# KiCad board main-pcb.kicad_pcb (continued)
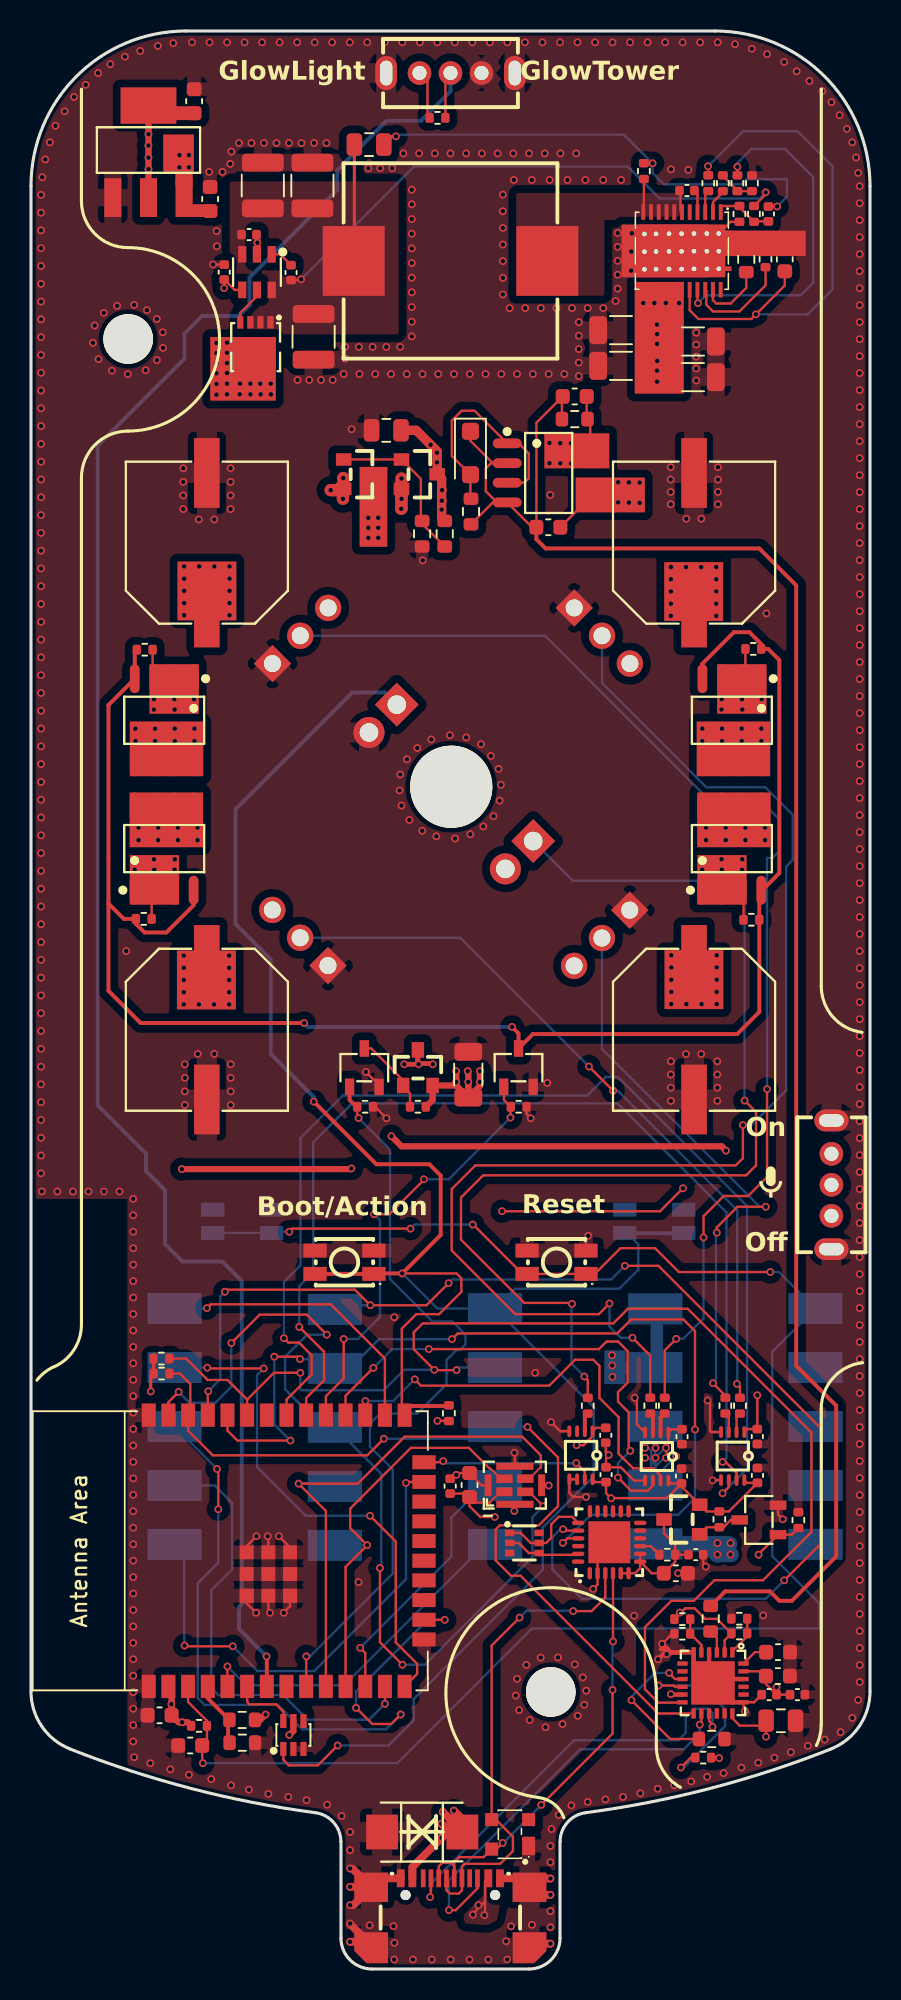
[diagram p0: board, top side]
## Routing (per net, layer and track width the routed paths; a pad name or vN(x,y) marks a point on that pad's centre or on a via; arc(x,y) is an arc through that point) (continued)
vbus: length 39.7
  Top w0.15: 29.3,5.64 29.3,3.51 v1(29.26,3.46) ; 29.3,5.64 29.3,4.36 ; 29.3,5.64 U6.11 ; v1(28.52,3.5) 28.6,3.58 28.6,3.65 29.3,4.36 ; U27.8 36.09,99.67 35.91,99.85 R14.1 35.86,100.02 C14.1 ; v1(47.43,14.98) 47.44,14.99 C16.1 47.12,15.69 45.74,15.69 45.26,16.17 U26.18 ; R7.1 49.09,28.01 U12.1 46.95,26.75 v1(46.95,26.72) ; v1(28.88,4.11) 29.06,4.11 29.3,4.36
  Top w0.5: U7.1 26.87,8.83 v1(26.49,8.46) 24.61,6.57 U6.2 ; U7.1 27.84,9.66 v1(27.29,10.21) ; U7.1 27.84,8.86 v1(26.57,10.13) ; U7.1 27.02,8.83 v1(26.48,9.37)
  Top w0.6: C13.1 24.86,99.24 v1(25.79,98.31) 26.21,97.89 26.21,97.81 v1(26.2,97.8) 26.21,97.79 26.21,97.18 v1(26.2,97.17) 26.21,97.16 U28.3 26.5,96.12 26.5,95.4 v1(26.52,95.38) 26.5,95.36 26.5,94.71 v1(26.51,94.7) 26.5,94.69 v1(26.5,94.13) 26.5,93.6 R17.1
  In4.Cu w0.4: v1(46.95,26.72) 46.95,24.95 44.91,22.92 44.91,21.15
  vias: v1(33.46,98.43) v1(33.46,97.12) v1(34.15,98.41) v1(34.15,97.11) v1(34.85,98.4) v1(34.85,97.1)
vbus_fet_en: length 1.5
  Top w0.15: U26.3 44.26,21.37 R15.1
vcc: length 72.9
  Top w0.15: v1(43.04,107.44) 43,107.48 U30.19 ; R28.1 v1(45.58,116.24) ; U27.5 35.76,94.59 C15.1
  Top w0.28: U26.11 41.31,17.7
  Top w0.4: v1(15.14,16.41) 14.79,16.06 R21.1 ; 41.31,17.7 v1(41.29,17.72)
  In4.Cu w0.4: v1(15.14,16.41) 19.64,16.41 21.4,14.65 38.22,14.65 v1(41.29,17.72) 43.78,20.21 43.78,24.81 45.14,26.17 v1(45.14,26.73)
  Bottom w0.15: v1(45.58,116.24) 45.58,116.49 46.49,117.39 48.66,117.39 50.48,115.57 50.48,108.76 49.67,107.95 43.55,107.95 v1(43.04,107.44) ; 41.83,107.44 v1(41.82,107.45)
  Bottom w0.4: 45.08,27.41 v1(45.14,27.47)
  Bottom w1: 43.74,27.42 43.74,27.27 ; 43.74,27.42 44.32,27.42 ; 43.74,27.42 U41.1 ; 43.74,27.27 44.3,26.71 ; 43.74,27.27 44.28,26.73 45.17,26.73 ; 44.33,27.41 45.08,27.41
  vias: v1(37.89,95.89) v1(37.89,94.59) v1(38.58,95.88) v1(38.58,94.58) v1(39.28,95.87) v1(39.28,94.56) v1(39.51,107.45) v1(40.23,107.45) v1(40.39,106.06) v1(40.4,105.45) v1(40.4,104.82) v1(40.41,103.72) v1(40.4,103.09) v1(40.4,102.38) v1(40.97,107.45) v1(44.3,27.47) v1(44.3,26.73)
vcc-1: length 61.6
  Top w0.15: C40.1 11.35,64.42 ; C40.1 11.35,62.95 ; C40.1 11.35,64.35 ; U38.2 7.79,69.41 R40.2 ; C10.1 41.34,34.81 U22.1 41.13,33.89 41.01,33.77 41.01,33.13 ; C39.1 42.79,88.38 ; C39.1 42.93,87.49 ; C39.1 42.79,88.3 ; C41.1 42.79,64.23 ; C41.1 42.79,64.51 ; C41.1 42.79,63.07 ; U23.1 46.22,34.82 C8.1 v1(46.87,37) ; U39.3 45.98,69.46 R41.2 ; R39.2 46.1,83.47 U37.2 ; C12.1 36.46,34.9 U24.1 36.24,34.37 35.65,33.78 v1(35.21,33.78) ; U36.3 7.85,83.34 R38.2 ; 9.88,113.8 U33.3 9.88,113.09 ; U31.4 13.14,108.3 C34.1 12.47,108.43 v1(12.46,108.41)
  Top w0.25: C38.1 10.78,87.49 ; C38.1 11.35,88.92 ; C38.1 11.82,87.49 ; C38.1 11.35,88.77 ; C38.1 11.35,88.75 ; C38.1 11.35,87.81 ; C38.1 11.35,87.85 ; 15.45,102.24 15.47,102.22 ; 14.8,102.24 14.8,102.23 ; 14.16,101.58 14.16,101.57 ; 13.51,103 U32.5 13.47,102.97 ; 13.51,102.28 13.49,102.26 ; 14.8,101.61 14.82,101.59 ; 12.72,104.26 12.71,104.24 ; 15.45,101.63 15.48,101.6 ; 14.16,102.26 v1(14.16,102.25)
  Top w0.4: C37.1 27.44,56.98 ; C37.1 28.97,56.96 ; C37.1 28.22,57.89 28.18,57.93 ; C37.1 v1(28.22,57.21) ; 27.44,56.98 v1(27.44,57.21) ; 27.44,56.98 27.44,57.9 v1(27.43,57.91) ; 27.44,56.98 U34.2 25.92,56.05 R36.2 ; 28.97,56.96 28.97,57.17 ; 28.97,56.96 28.97,57.92
  Bottom w0.15: 40.33,33.11 40.28,33.07 U43.1 ; U43.1 40.28,32.98 41.03,33.72 ; U43.1 40.02,31.47 40.02,33.42 39.67,33.77 ; U43.1 40.28,33.7 40.31,33.72 ; U43.1 40.28,31.73 41.69,33.13 ; U43.1 40.28,32.52 39.67,33.13 ; U43.1 40.28,32.4 41.02,33.13
  vias: v1(6.69,71.57) v1(6.69,70.9) v1(7.93,81.23) v1(7.94,81.9) v1(7.94,71.57) v1(7.96,70.9) v1(9.25,81.9) v1(9.27,81.23) v1(9.28,71.57) v1(9.27,70.9) v1(9.58,116.99) v1(9.58,116.2) v1(9.88,90.46) v1(9.88,89.68) v1(9.88,88.89) v1(9.88,88.1) v1(9.88,87.31) v1(9.86,65.36) v1(9.86,64.58) v1(9.86,63.79) v1(9.86,63) v1(9.86,62.21) v1(10.19,116.99) v1(10.19,116.2) v1(10.52,81.9) v1(10.52,81.23) v1(10.86,90.46) v1(10.83,62.21) v1(11.81,62.21) v1(11.83,90.46) v1(11.97,104.88) v1(11.97,104.22) v1(11.97,103.56) v1(11.97,102.92) v1(11.97,102.23) v1(11.97,101.54) v1(12.65,104.9) v1(12.65,104.24) v1(12.65,103.58) v1(12.65,102.94) v1(12.65,102.25) v1(12.65,101.56) v1(12.81,90.46) v1(12.81,89.68) v1(12.81,88.89) v1(12.81,88.1) v1(12.81,87.31) v1(12.79,65.36) v1(12.79,64.58) v1(12.79,63.79) v1(12.79,63) v1(12.79,62.21) v1(13.49,102.25) v1(13.47,101.56) v1(14.16,101.56) v1(14.8,102.25) v1(14.82,101.56) v1(15.47,102.25) v1(15.48,101.56) v1(21.77,93.6) v1(21.77,92.95) v1(21.77,92.31) v1(22.41,93.6) v1(22.41,92.96) v1(22.41,92.31) v1(28.18,57.91) v1(28.97,57.91) v1(28.97,57.21) v1(39.63,33.61) v1(39.63,32.97) v1(40.3,33.61) v1(40.3,32.97) v1(40.97,33.61) v1(40.97,32.97) v1(41.29,90.42) v1(41.29,89.64) v1(41.29,88.85) v1(41.29,88.06) v1(41.29,87.27) v1(41.32,65.38) v1(41.32,64.6) v1(41.32,63.81) v1(41.32,63.02) v1(41.32,62.23) v1(41.64,33.06) v1(42.27,90.42) v1(42.29,62.23) v1(43.24,90.42) v1(43.31,71.57) v1(43.31,70.9) v1(43.27,62.23) v1(44.22,90.42) v1(44.22,89.64) v1(44.22,88.85) v1(44.22,88.06) v1(44.22,87.27) v1(44.25,65.38) v1(44.25,64.6) v1(44.25,63.81) v1(44.25,63.02) v1(44.25,62.23) v1(44.57,81.9) v1(44.56,81.23) v1(44.56,71.57) v1(44.58,70.9) v1(45.88,81.9) v1(45.9,81.23) v1(45.9,71.57) v1(45.89,70.9) v1(47.15,81.9) v1(47.15,81.23)
vcc-2: length 279
  Top w0.15: U23.8 46.21,31.35 C7.1 45.04,29.51 R6.2 43.58,29.51 U11.2 41.96,31.13 41.96,31.29 C9.1 ; C9.1 41.04,30.37 37.45,30.37 v1(37.44,30.36) 37.11,30.69 C11.1 36.42,31.4 U24.8 ; C9.1 41.32,31.31 U22.8 ; v1(26.23,35.35) 26.95,35.35 R2.2 ; R8.2 25.58,119.53 25.58,121.77 U15.3
  Top w0.2: v1(7.73,37.25) 7.73,38.22 R4.2 7.91,39.37
  Top w0.4: R1.2 10.1,15.91 v1(9.76,15.91) 9.52,15.91 C1.1 9.07,17.07 v1(9.06,17.08) 9.07,17.1 9.07,18.02 U1.2 ; v1(23.26,53.71) 23.91,53.06 44.57,53.06 v1(44.85,52.78) ; 7.58,115.44 U33.2 U33.4 8.02,119.75 ; v1(9.73,51.59) 20.64,51.59 v1(20.68,51.63) ; U25.5 16.93,15.36 v1(16.67,15.09) ; 10.47,119.75 C36.1 ; 7.91,39.37 R3.2
  In2.Cu w0.4: U15.3 25.07,120.66 24.38,119.96 9.2,119.96 v1(7.58,118.34) 7.58,118.34 ; 7.58,117.61 v1(7.58,117.61) ; U14.3 45.05,52.58 v1(44.85,52.78) ; 8.21,36.77 v1(7.73,37.25) ; v1(9.76,15.91) 9.76,15.93 ; v1(26.23,35.35) 25.9,35.35 25.1,34.55 25.1,26.4 26.43,25.07 ; 7.58,116.83 v1(7.58,116.83) ; v1(23.26,53.71) 21.18,51.63 v1(20.68,51.63) ; 37.45,29.08 37.45,30.6 ; 7.58,116.09 v1(7.58,116.09)
  In2.Cu w0.8: v1(9.76,15.91) 10.58,15.09 16.66,15.09 v1(16.67,15.09) 17.3,15.09 26.43,24.21 26.43,25.07 34.02,25.07 37.45,28.5 37.45,30.35 v1(37.44,30.36) ; 37.1,38.51 v1(37.51,38.92) 37.51,39.56 v1(37.49,39.58) ; 37.1,38.51 37.18,38.43 37.18,37.61 36.39,36.82 36.39,31.54 37.33,30.6 37.45,30.6 ; 37.1,38.51 37.2,38.51 v1(37.52,38.19) ; v1(7.58,118.34) v1(7.58,116.09) 6.98,115.49 3.62,115.49 2.17,114.04 2.17,52.71 3.29,51.59 v1(9.73,51.59) 8.21,50.07 8.21,17.93 9.76,16.38 9.76,15.93
  Bottom w0.4: 40.39,42.47 U44.1 ; 37.71,38.79 37.68,38.82 ; U45.1 40.39,38.9 ; 37.64,38.79 v1(37.51,38.92)
  Bottom w0.8: U45.1 37.71,38.79 ; 40.39,38.9 40.39,42.47
_1y: length 4.2
  Top w0.15: U1.6 13.95,17.22 14.1,17.07 15.81,17.07 16.28,16.6 U25.6
b: length 125.6
  Top w0.15: R8.1 26.74,121.96 U15.2
  Top w0.25: U1.7 15.22,20.14 v1(15.2,20.16)
  Bottom w0.25: v1(15.2,20.16) 13.42,21.94 13.42,23.35 13.6,23.53 13.6,44.37 12.34,45.63 9.77,45.63 8.65,46.75 8.65,50.23 7.42,51.46 7.42,52.6 4.3,55.72 4.3,98.25 9.9,103.85 9.9,105.48 11.04,106.62 13.4,106.62 14.1,107.33 14.1,109.1 19.76,114.75 19.76,116.02 22.94,119.2 25.17,119.2 27.07,121.11 U15.2 26.87,122.29
buck_converter_5v.circuit-vcc: length 43.4
  Top w0.15: v1(17.44,108.98) 17.39,108.94 C33.1 ; v1(47.41,114.59) 47.41,114.47 R31.1 ; 20.87,110.22 L1.2
  Top w0.2: C26.2 20.87,110.22
  Bottom w0.15: v1(47.41,114.59) 47.01,114.19 40.57,114.19 38.51,116.25 24.71,116.25 v1(17.44,108.98)
buck_converter_5v.circuit.reverse_flow_protection_ideal_diode.ic-gate: length 2.5
  Top w0.15: U31.5 14.58,107.9 13.5,106.82 U32.4
buck_converter_5v.circuit.rlbst_resistor-vcc: length 31.2
  Top w0.15: v1(48.15,113.68) 48.15,113.68 C27.2 ; R30.2 40.1,116.47 v1(40.11,116.46) ; C26.1 23.3,118.2 v1(23.55,118.2)
  Bottom w0.15: v1(23.55,118.2) 23.66,118.31 38.26,118.31 v1(40.11,116.46) 40.11,115.84 40.84,115.12 45.82,115.12 46.14,115.43 48.78,115.43 48.78,114.31 v1(48.15,113.68)
cc1: length 27.5
  Top w0.15: U26.15 43.76,16 43.98,15.78 v1(43.98,15.61) ; U6.4 25.81,4.69 v1(25.76,4.63)
  Bottom w0.15: v1(43.98,15.61) 43.98,16.49 43.69,16.78 42.81,16.78 42.25,16.22 42.25,15.23 41.77,14.75 35.05,14.75 25.76,5.46 v1(25.76,4.63)
cc2: length 26.4
  Top w0.15: U6.10 28.81,5.2 27.41,3.79 v1(26.97,3.79) ; U26.14 43.26,15.87 v1(43.15,15.76)
  Bottom w0.15: v1(43.15,15.76) 43.15,15.2 42.13,14.17 35.43,14.17 26.97,5.71 v1(26.97,3.79)
cs: length 31.6
  Top w0.15: U1.23 24.26,31.41 v1(24.2,31.35) ; v1(13.02,20.81) 9.96,20.81 v1(9.91,20.86)
  Bottom w0.15: v1(13.02,20.81) 14.62,19.21 18.27,19.21 24.2,25.14 v1(24.2,31.35) ; v1(9.91,20.86) 9.89,20.88 9.89,26.77 U58.1
dm: length 27.8
  Top w0.15: v1(30.44,8.13) 30.04,7.73 U9.4 29.21,7.21 27.64,7.21 27.31,6.89 U6.7 27.31,6.62 27.09,6.84 26.53,6.84 26.31,6.62 U6.5 ; U8.4 v1(37.56,21.12) ; v1(37.53,18) 37.53,15.18 v1(32.93,10.58)
  Bottom w0.15: v1(37.53,18) 37.53,21.09 v1(37.56,21.12) ; v1(30.44,8.13) 30.48,8.13 v1(32.93,10.58)
dp: length 31.4
  Top w0.15: v1(31.53,22.66) 29.73,20.86 U9.3 30,9.63 31.1,8.53 31.1,7.6 30.28,6.78 27.97,6.78 27.81,6.62 U6.8 27.81,5.07 27.6,4.86 27.02,4.86 26.81,5.07 U6.6 ; v1(34.99,23.08) 36.18,23.08 37.06,23.96 U8.3
  Bottom w0.15: v1(31.53,22.66) 31.98,23.11 34.96,23.11 v1(34.99,23.08)
dtr: length 4.8
  Top w0.15: U10.2 31.47,27.48 32.12,26.83 U10.4 32.9,26.71 35.25,26.71 U8.23
en: length 1.6
  Top w0.15: U30.2 44.01,113.97 44.64,114.6 R27.2
esp32.ic-control: length 49.7
  Top w0.15: v1(21.14,54.88) 21.05,54.97 R37.1 ; U1.9 17.76,20.15 v1(17.77,20.16)
  Top w0.25: R37.1 21,55.61 20.56,56.05 U35.1
  Bottom w0.15: v1(17.77,20.16) 18,20.16 23.34,25.5 23.34,32.23 21.87,33.7 21.87,35.16 22.53,35.82 24.92,35.82 26.81,37.71 26.81,39.27 27.46,39.93 27.69,39.93 28.03,40.28 28.03,40.92 27.19,41.76 25.9,41.76 23.17,44.49 23.17,52.85 v1(21.14,54.88)
esp32.ic-control-1: length 28.7
  Top w0.15: v1(25.35,50.93) 25.35,50.9 23.14,48.68 v1(22.14,48.68) ; U1.29 19.03,36.94 20.18,38.09 v1(20.18,40.63) ; v1(30.94,54.91) 30.94,55.59 R42.1 30.52,56.05 30.52,56.88 U40.1
  Bottom w0.15: v1(30.94,54.91) 26.96,50.93 v1(25.35,50.93) ; v1(20.18,40.63) 21.11,40.63 22.52,42.05 22.52,48.3 v1(22.14,48.68)
fault: length 9.7
  Top w0.15: R19.1 41.25,14.83 v1(38.75,17.33) ; v1(41.18,19.1) 41.18,19.08 41.56,18.7 U26.9
  Bottom w0.15: v1(38.75,17.33) 38.75,17.57 40.28,19.1 v1(41.18,19.1)
flip: length 12.7
  Top w0.15: v1(40.5,18.28) 41.47,18.28 41.56,18.2 U26.10 ; R20.1 42.58,13.63 v1(41.94,12.99)
  Bottom w0.15: v1(40.5,18.28) 43.27,18.28 44.79,16.76 44.79,15.66 42.12,12.99 v1(41.94,12.99)
input: length 144.8
  Top w0.15: U25.1 16.28,13.49 16.64,13.13 18.51,13.13 v1(19.79,14.41) ; U1.25 23.93,35.9 23.93,41.3 24.86,42.23 26.33,42.23 27.77,43.67 27.77,44.55 27.46,44.86 v1(23.96,44.86)
  Top w0.25: U3.1 U3.1 22.16,44.86 v1(23.96,44.86) 26.44,47.34 26.44,51.17 25.71,51.9 22.29,51.9 v1(18.25,55.94) ; R2.1 26.92,36.31 24.11,36.31 U1.25
  Bottom w0.15: v1(23.96,44.86) 26.23,42.6 U65.1 ; U65.1 31.24,43.88 37.97,43.88 39.19,45.1 39.19,46.73 38.47,47.45 ; U65.1 36.32,36.23 36.32,31.77 33.02,28.47 33.02,25.73 24.7,17.41 24.7,16.04 23.07,14.41 v1(19.79,14.41)
  Bottom w0.25: 38.47,47.45 42.27,47.45 ; v1(18.25,55.94) 18.25,56.23 15.48,59 15.48,65.11 13.2,67.39 13.2,74.8 20.73,82.33 22.82,82.33 U20.2
io2: length 11.2
  Top w0.15: v1(35.19,32.63) 35.74,32.08 U24.7 ; v1(26.6,32.75) 26.53,32.68 U1.24
  Bottom w0.15: v1(26.6,32.75) 26.73,32.62 35.18,32.62 v1(35.19,32.63)
io16: length 27.4
  Top w0.15: U1.27 21.57,36.62 v1(21.58,36.63) ; v1(24.76,38.03) 25.17,37.62 33.44,37.62 35.11,39.29 36.29,39.29 36.68,38.9 36.68,36.83 37.92,35.59 37.92,33.23 38.86,32.29 40.15,32.29 40.63,31.82 U22.7
  Bottom w0.15: v1(24.76,38.03) 23.36,36.63 v1(21.58,36.63)
io17: length 33.3
  Top w0.15: v1(25.67,39.98) 36.65,39.98 37.14,40.47 37.88,40.47 38.49,39.86 38.49,37.82 37.88,37.2 37.88,36.59 38.57,35.9 38.57,33.52 v1(38.67,33.42) ; v1(37.88,31.69) 38.72,30.85 39.79,30.85 40.13,31.19 U22.6 ; U1.28 20.3,36.97 v1(22.1,38.77)
  Bottom w0.15: v1(37.88,31.69) 37.88,32.63 v1(38.67,33.42) ; v1(22.1,38.77) 23.31,39.98 v1(25.67,39.98)
io18: length 67.6
  Top w0.15: U23.7 45.53,32 44.83,32.7 v1(44.63,32.7) ; v1(17.31,41.41) 18.91,39.81 18.91,37.97 17.76,36.82 U1.30
  Bottom w0.15: v1(17.31,41.41) 17.31,44.04 18.22,44.95 18.22,53.32 20.73,55.83 37.85,55.83 44.88,48.8 44.88,32.95 v1(44.63,32.7)
io19: length 74.2
  Top w0.15: U1.31 16.49,36.72 18.1,38.34 18.1,39.59 17.29,40.4 16.6,40.4 v1(16.32,40.68) ; v1(44.62,30.68) 45.03,31.09 U23.6
  Bottom w0.15: v1(16.32,40.68) 16.32,44.31 17.39,45.38 17.39,53.6 20.12,56.33 35.89,56.33 37.09,57.53 37.88,57.53 46.21,49.2 46.21,32.27 v1(44.62,30.68)
io27: length 17.1
  Top w0.15: v1(21.24,20.71) 21.57,20.38 U1.12
  Bottom w0.15: v1(21.24,20.71) 27.13,26.6 27.13,29.12 29.19,31.19 U63.1
io39: length 22.8
  Top w0.15: U1.5 v1(12.68,19.51)
  Bottom w0.15: v1(12.68,19.51) 13.9,18.29 20.2,18.29 29.29,27.39 U64.1
led_power_mosfet_circuit.power_p_mosfet_resistor_1-gate: length 107
  Top w0.25: 5,68.72 5,81.53 U36.4 6.7,84.96 R38.1 ; 5,68.72 5.99,67.73 R40.1 6.77,67.41 7.33,66.85 8.74,66.85 10.5,68.61 U38.4 ; 5,68.72 5,63.09 7.08,61.01 v1(17.63,61.01) ; v1(31.04,60.76) 31.46,60.34 U40.3 32.39,60.3 45.57,60.3 47,61.73 R41.1 47,69.46 U39.4 47.19,69.58 48.29,70.68 48.29,84.42 47.57,85.14 R39.1 47.12,85.46 46.36,86.22 45.35,86.22 45.35,86.21 43.33,84.19 U37.4
  Bottom w0.25: v1(31.04,60.76) 17.88,60.76 v1(17.63,61.01)
led_ring_power_mosfet_circuit.power_p_mosfet_resistor-drain: length 5.2
  Top w0.15: R36.1 24.46,56.45 24.02,56.89 U34.1 24.02,57.31 21.96,59.37 U35.3
levelshifter_1.ic-a1: length 1.3
  Top w0.25: U22.2 40.63,35.55 R9.2
levelshifter_1.ic-a2: length 1.3
  Top w0.25: R10.2 40.13,35.65 U22.3
levelshifter_2.ic-a1: length 1.3
  Top w0.15: U23.2 45.53,35.6 R11.2
levelshifter_2.ic-a2: length 1.3
  Top w0.15: U23.3 45.03,35.6 R12.2
levelshifter_3.ic-a1: length 1.2
  Top w0.25: R13.2 35.74,35.63 U24.2
ll: length 3.6
  Top w0.15: U30.11 39.55,113.36 R30.1 ; U30.6 41.91,113.42 41.91,114.65 C25.1
microphone-vcc: length 48.4
  Top w0.127: U13.1 30.28,30.77 29.63,30.12 29.63,30.08
  Top w0.15: v1(30.4,48.87) 40.59,48.87 v1(42.07,50.35) ; C6.1 28.07,30.66 C5.1 ; 29.63,30.08 28.65,30.08 C5.1 ; C5.1 28.3,29.85 29,29.15 v1(29.93,29.15)
  In2.Cu w0.4: v1(30.4,48.87) 30.4,30.58 29.93,30.11 v1(29.93,29.15) ; v1(42.07,50.35) 42.29,50.58 U14.2
miso: length 47.2
  Top w0.15: v1(12,32.25) 12.09,32.17 v1(12.09,29.65) ; v1(20.98,16.84) 22.02,15.8 23.25,15.8 v1(23.86,16.41) ; U1.16 26.7,22.52 v1(26.7,22.52)
  Bottom w0.15: v1(26.7,22.52) 25.6,22.52 20.98,17.9 v1(20.98,16.84) ; v1(23.86,16.41) 22.9,15.45 17.51,15.45 15.93,17.03 11.2,17.03 10.76,17.47 10.76,24.87 12.09,26.2 v1(12.09,29.65) ; U56.1 v1(12,32.25)
mode: length 6.9
  Top w0.15: U30.20 43.58,108.24 43.58,107.34 44.01,106.91 45.72,106.91 47.4,108.59 R34.1
mosi: length 30.3
  Top w0.15: U1.13 v1(22.84,17.1)
  Bottom w0.15: v1(22.84,17.1) 21.82,16.08 17.86,16.08 16.28,17.66 12.09,17.66 11.63,18.12 11.63,24.43 12.98,25.78 12.98,30.06 11.86,31.19 U57.1
p1: length 2.3
  Top w0.15: R27.1 44.64,115.65 45.58,114.71 R28.2 R29.1
pgood: length 1.4
  Top w0.15: R33.1 43.51,114.48 U30.3
pin_header_male_led_ring-vcc: length 24.8
  Top w0.15: 24.97,59.4 U34.3 24.96,59.28
  Top w0.3: 24.96,59.28 24.96,58.35 v1(24.09,58.35) ; 25.93,58.4 24.97,58.4 24.97,59.4
  In2.Cu w0.5: 25.93,58.4 25.31,58.4 24.92,58.79 24.92,60.68 ; 24.92,60.84 24.92,65.26 U21.1 ; 24.92,60.84 24.92,60.68 ; 24.92,60.84 24.92,58.44 v1(25.01,58.35) ; 24.92,60.68 24.92,59.18 v1(24.09,58.35)
  vias: v1(25.93,58.35)
pin_header_male_led_ring-vcc-1: length 70.6
  Top w0.15: v1(35.71,38.21) 35.93,37.99 R13.1 ; v1(34.91,42.9) 34.85,42.96 31.83,42.96 27.75,47.04 27.75,49.76 29.18,51.19 46.15,51.19 46.79,51.83 46.79,55.27 v1(46.05,56.01)
  Bottom w0.15: v1(35.71,38.21) 34.88,39.04 34.88,42.87 v1(34.91,42.9) ; U21.2 34.97,70.19 44.77,70.19 46.05,68.91 v1(46.05,56.01)
pin_header_male_led_strip_1-vcc:
  vias: v1(6.74,80) v1(6.74,79.19) v1(8.01,80) v1(8.01,79.19) v1(9.28,80) v1(9.28,79.19) v1(10.55,80) v1(10.55,79.19)
pin_header_male_led_strip_1-vcc-1: length 77.6
  Top w0.15: v1(43.4,47.18) 43.4,48.55 44.7,49.85 46.27,49.85 47.5,51.08 v1(47.5,56.75) ; R9.1 40.9,39.9 v1(41.64,40.64)
  Bottom w0.15: v1(43.4,47.18) 43.4,41.95 42.09,40.64 v1(41.64,40.64) ; v1(47.5,56.75) 47.5,71.67 47.84,71.67 48.33,72.15 48.33,74.1 47.1,75.33 43.83,75.33 33.17,85.99 U16.2
pin_header_male_led_strip_2-vcc:
  vias: v1(43.32,80) v1(43.32,79.19) v1(44.59,80) v1(44.59,79.19) v1(45.86,80) v1(45.86,79.19) v1(47.13,80) v1(47.13,79.19)
pin_header_male_led_strip_2-vcc-1: length 86
  Top w0.15: v1(38.81,40.71) 39.96,39.56 R10.1 ; v1(37.33,42.92) 36.64,42.23 31.26,42.23 27.15,46.34 27.15,50.3 28.68,51.83 45.48,51.83 45.94,52.29 v1(45.94,54.43)
  Bottom w0.15: v1(37.33,42.92) 37.33,41.44 38.06,40.71 v1(38.81,40.71) ; U17.2 36.85,82.95 43.59,76.21 47.39,76.21 49.15,74.45 49.15,71.52 48.73,71.1 48.73,56.67 46.49,54.43 v1(45.94,54.43)
pin_header_male_led_strip_3-vcc:
  vias: v1(6.94,73.62) v1(6.94,72.81) v1(8.21,73.62) v1(8.21,72.81) v1(9.48,73.62) v1(9.48,72.81) v1(10.75,73.62) v1(10.75,72.81)
pin_header_male_led_strip_3-vcc-1: length 47.7
  Top w0.15: R11.1 45.75,37.54 v1(45.55,37.74) ; v1(37.57,56.64) v1(36,58.21)
  Bottom w0.15: U18.2 27.7,66.51 v1(36,58.21) ; v1(37.57,56.64) 37.87,56.64 45.58,48.93 45.58,37.77 v1(45.55,37.74)
pin_header_male_led_strip_4-vcc:
  vias: v1(43.56,73.62) v1(43.56,72.81) v1(44.83,73.62) v1(44.83,72.81) v1(46.1,73.62) v1(46.1,72.81) v1(47.37,73.62) v1(47.37,72.81)
pin_header_male_led_strip_4-vcc-1: length 37.1
  Top w0.15: v1(44.01,37.78) 44.81,36.98 R12.1 ; v1(47.41,49.16) 45.59,49.16 44.25,47.83 v1(44.25,47.49)
  Bottom w0.15: v1(44.01,37.78) 44.2,37.97 44.2,47.44 v1(44.25,47.49) ; U19.2 36.84,59.35 47.02,49.16 v1(47.41,49.16)
power_out_vbus_readout: length 4.4
  Top w0.25: 12.72,14.35 12.72,16.14 11.41,17.45 U1.4
reset: length 114.8
  Top w0.15: v1(47.71,44.95) 41.81,44.95 40.27,46.49 38.04,46.49 36.38,44.83 U2.1 U2.1 31.71,44.83 28.53,48.01 v1(28.5,48.01) ; v1(11.09,13.27) 11.05,13.31 C2.1 11.35,14.72 R1.1 11.35,16.01 10.14,17.22 U1.3 ; v1(16.67,47.55) 16.87,47.75 v1(24.49,47.75)
  Bottom w0.15: v1(24.49,47.75) 24.75,48.01 v1(28.5,48.01) ; U5.1 U5.1 15.61,47.55 v1(16.67,47.55) ; v1(11.09,13.27) 23.63,13.27 32.32,21.96 50.87,21.96 50.87,23.58 47.83,26.62 47.83,39.81 U60.1 48.26,44.95 v1(47.71,44.95)
rstb: length 1.5
  Top w0.15: R5.1 40,27.27 U8.9
rts: length 6.1
  Top w0.15: U10.1 31.59,28.13 32.24,27.48 U10.5 33.24,27.48 33.57,27.81 33.57,28.68 34.05,29.16 34.92,29.16 U8.19
rx: length 61.9
  Top w0.15: v1(17.36,39.33) 17.2,39.49 v1(15.7,39.49) ; v1(42.85,34.79) 42.85,41.14 42.1,41.89 38.73,41.89 37.83,40.99 27.54,40.99 v1(27.17,40.62) ; U8.21 34.61,27.77 v1(34.32,27.48) ; v1(16.74,34.08) 13.32,34.08 12.68,34.72 U1.34
  Bottom w0.15: v1(15.7,39.49) 15.7,35.12 v1(16.74,34.08) ; v1(27.17,40.62) 22.46,40.62 20.57,38.74 U62.1 19.01,39.33 v1(17.36,39.33) ; v1(34.32,27.48) 36.13,29.29 41.77,29.29 42.85,30.38 v1(42.85,34.79)
sck: length 35.7
  Top w0.127: 32.9,32.33 32.86,32.33 32.15,31.62 U13.3
  Top w0.15: 32.9,32.33 32.9,33.13 31.7,34.33 24.12,34.33 21.09,31.3 v1(17.27,31.3) 19.03,29.54 U1.10
  Bottom w0.15: v1(17.27,31.3) 19.43,31.3 U53.1
sck-1: length 18.8
  Top w0.15: v1(11.35,42.62) 11.6,42.87 19.34,42.87 22.84,39.37 U1.26
  Bottom w0.15: v1(11.35,42.62) 11.32,42.6 U55.1
scl: length 57.5
  Top w0.15: v1(32.04,34.96) 34.01,32.99 34.01,29.85 32.77,28.61 30.25,28.61 29.99,28.35 29.99,26.35 30.98,25.36 31.59,25.36 40.47,16.48 U26.13 ; v1(22.77,34.2) 21.7,33.13 11.73,33.13 10.14,34.72 U1.36 10.28,35.86 10.28,37.73 9.6,38.41 R4.1
  Bottom w0.15: v1(32.04,34.96) 32.02,34.99 U51.1 29.16,34.2 v1(22.77,34.2)
sd: length 27
  Top w0.127: U13.4 30.31,31.62 29.66,32.27 29.59,32.27
  Top w0.15: U1.11 20.3,25.93 v1(21.7,27.33) 20.6,28.43 20.6,29.69 24.52,33.61 28.25,33.61 29.59,32.27
  Bottom w0.15: v1(21.7,27.33) 19.62,27.33 U54.1
sda: length 84.6
  Top w0.15: U1.33 13.95,36.72 ; 13.95,36.72 12.68,37.99 11.39,37.99 10.01,39.37 R3.1 ; 13.95,36.72 15.68,38.45 v1(17.38,38.45) ; U26.12 42.02,17.18 40.48,17.18 39.62,18.04 39.62,22.04 41.32,23.74 42.77,23.74 44.1,25.07 47.24,25.07 50.36,28.19 50.36,34.6 42.38,42.58 38.52,42.58 37.58,41.64 25.28,41.64 24.7,41.06 24.7,39.97 v1(26.03,38.64) 26.05,38.62 v1(27.46,38.62)
  Bottom w0.15: v1(27.46,38.62) 27.62,38.79 U50.1 ; v1(17.38,38.45) 17.38,37.38 17.43,37.33 22.77,37.33 24.08,38.64 v1(26.03,38.64)
source: length 12.5
  Top w0.8: v1(20.15,96.16) 20.18,96.13 U29.2 ; U28.2 v1(23.91,94.82) ; U28.2 v1(23.91,96.13) ; U28.2 23.91,94.2 v1(23.89,94.18) ; U29.2 20.1,95.38 v1(19.34,95.38) ; U29.2 20.13,95.41 v1(20.13,94.82)
  In2.Cu w0.8: 23.91,95.07 23.91,94.2 v1(23.89,94.18) ; 23.91,95.07 v1(23.91,96.13) ; 23.91,95.07 23.84,95.14 20.15,95.14 ; v1(19.34,95.38) 19.58,95.14 20.15,95.14 ; v1(20.15,96.16) 20.15,95.14
